# Altium PCB MainBoard_6_layers.PcbDoc (part 1 of 6) (continued)
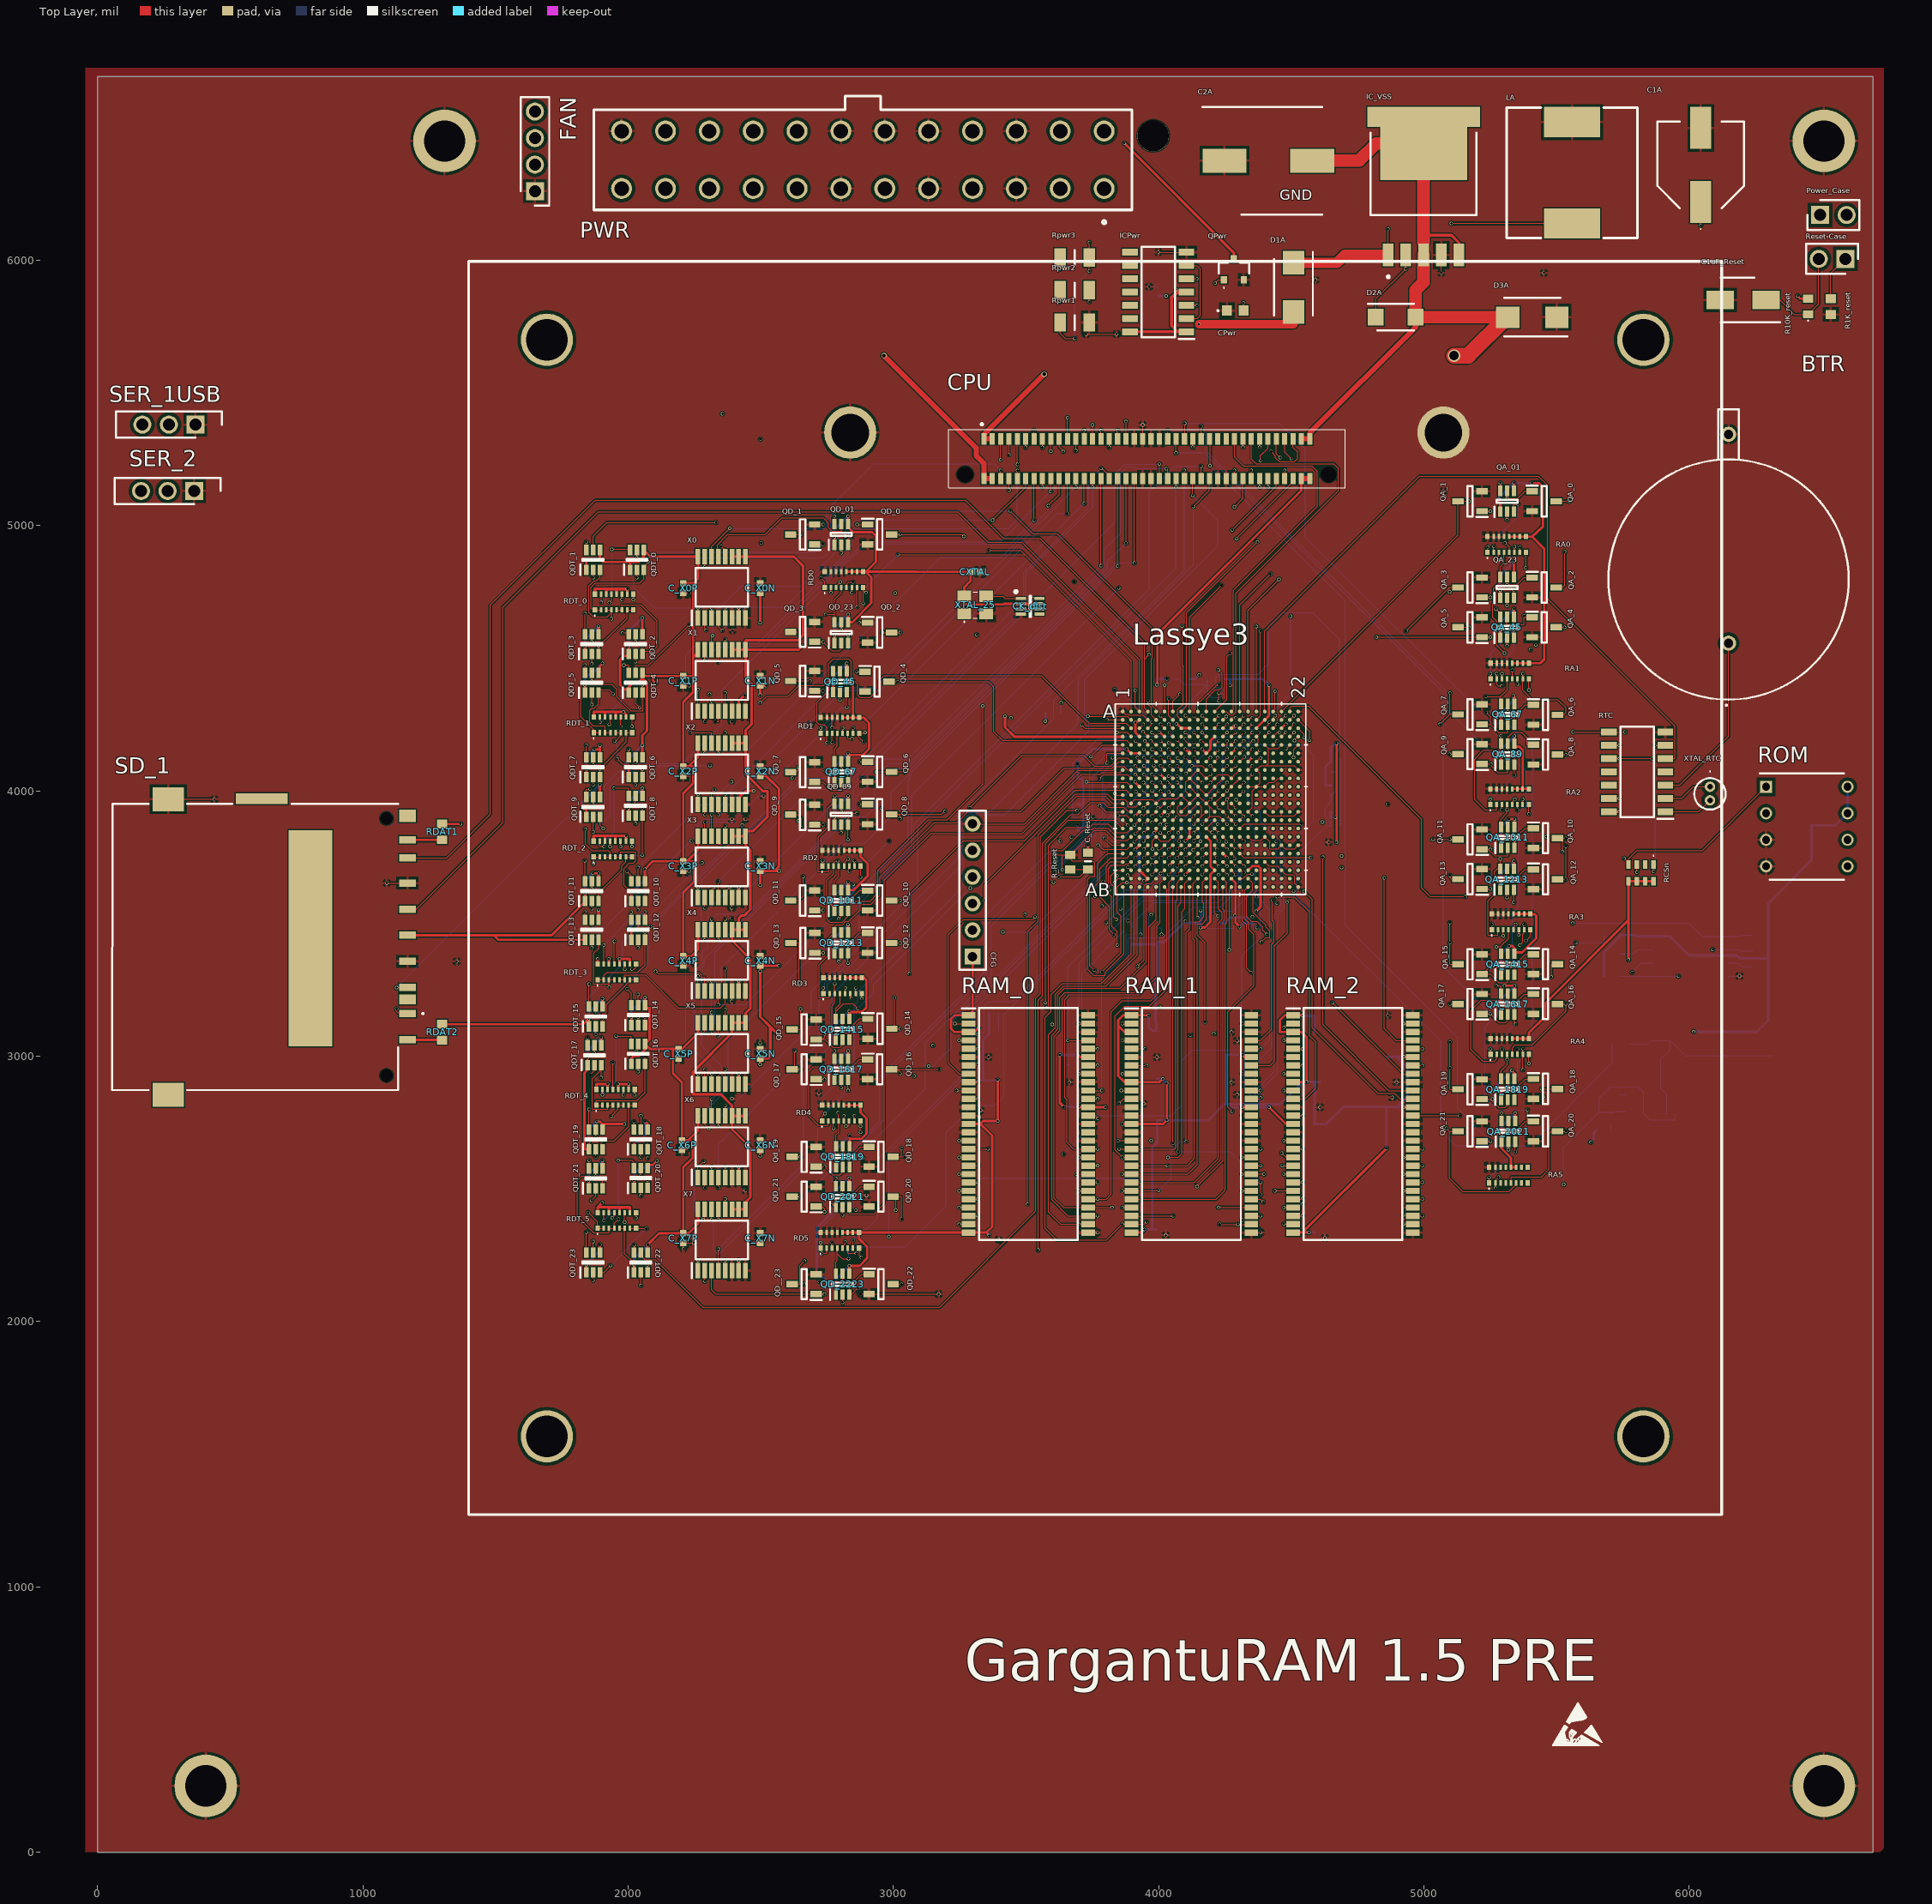
[diagram p0: Top Layer view]
## Footprints (in the part's own frame and the unit in brackets; to place one, negate y for a bottom-side part, rotate by r counter-clockwise, add the part's x,y. Pads: shape width x height; smd on the part's side, far side on the other; paste and mask are expansions set on the pad) (continued)
  silkscreen extent -364,-364 365,365, body extent -354,-354 354,354, height 52
HDR1X6 [mm] "Connector; Header; 6 Position"
  rect 1.5x1.5 hole 0.9: 1(0,0)
  round 1.5 hole 0.9: 2(2.54,0) 3(5.08,0) 4(7.62,0) 5(10.16,0) 6(12.7,0)
  silkscreen extent -1.27,-1.27 13.97,1.27
HDRV2W67P0X254_1X2_467X234X823P [mm]
  rect 1.725x1.725 hole 1.15: 1(0,0)
  round 1.725 hole 1.15: 2(2.54,0)
  silkscreen extent -1.21,-1.42 3.75,1.42, body extent -1.07,-1.17 3.61,1.17, height 8.12
HDRV3W66P0X254_1X3_1016X249X1042P [mm]
  rect 1.725x1.725 hole 1.15: 1(0,0)
  round 1.725 hole 1.15: 2(2.54,0) 3(5.08,0)
  silkscreen extent -2.54,-1.25 7.62,1.25, body extent -1.27,-1.24 6.35,1.24, height 10.41
HDRV4W66P0X254_1X4_1016X249X1003P [mm]
  rect 1.725x1.725 hole 1.15: 1(0,0)
  round 1.725 hole 1.15: 2(2.54,0) 3(5.08,0) 4(7.62,0)
  silkscreen extent -1.4,-1.37 9.02,1.37, body extent -1.27,-1.24 8.89,1.24, height 9.78
KTT0005B [mm]
  rect 2.16x1.02 smd: 1(12.461,-3.4) 2(12.461,-1.7) 3(12.461,0) 4(12.461,1.7) 5(12.461,3.4)
  rect 6.99x8.33 smd: 6(1.786,0)
  rect 1.91x1.235 smd: 7(-0.754,4.783) 8(-0.754,-4.783)
  silkscreen extent 0.76,-5.08 14.68,5.08, body extent -1.11,-5.08 13.24,5.08, height 4.72
MMBT3904215 [mm]
  rect 0.6x0.7 smd: 1(-0.95,-1) 2(0.95,-1) 3(0,1)
  silkscreen extent -1.45,-1.8 1.45,0.65, body extent -1.45,-1.2 1.45,1.2, height 0.95
RCS0603_E3 [mm]
  rect 0.75x1 smd: 1(-0.75,0) 2(0.75,0)
  silkscreen extent -1.4,-0.05 -1.3,0.05, body extent -0.77,-0.43 0.78,0.42, height 0.45
RESC1608X50N [mm]
  rect 0.85x1 smd: 1(-0.75,0) 2(0.75,0)
  body extent -0.79,-0.43 0.79,0.43, height 0.5
RESC1608X55N [mm]
  rect 0.8x0.95 smd: 1(-0.8,0) 2(0.8,0)
  silkscreen extent 0,-0.3 0,0.3, body extent -0.8,-0.4 0.8,0.4, height 0.55
RESC3116X65N [mm]
  rect 1.1x1.75 smd: 1(-1.4,0) 2(1.4,0)
  silkscreen extent 0,-0.7 0,0.7, body extent -1.55,-0.8 1.55,0.8, height 0.65
SODFL4626X120N [mm]
  rect 1.53x1.63 smd: 1(-1.9,0) 2(1.9,0)
  silkscreen extent -2.67,-1.27 1.75,1.27, body extent -2.32,-1.28 2.32,1.28, height 1.2
SOIC127P600X175-14N [mm]
  rect 1.5x0.65 smd: 1(-2.7,3.81) 2(-2.7,2.54) 3(-2.7,1.27) 4(-2.7,0) 5(-2.7,-1.27) 6(-2.7,-2.54) 7(-2.7,-3.81) 8(2.7,-3.81) 9(2.7,-2.54) 10(2.7,-1.27) 11(2.7,0) 12(2.7,1.27) 13(2.7,2.54) 14(2.7,3.81)
  silkscreen extent -3.45,-4.33 1.6,4.48, body extent -3,-4.33 3,4.33, height 1.75
SOIC127P790X216-8N [mm]
  rect 1.65x0.65 smd: 1(-3.6,1.905) 2(-3.6,0.635) 3(-3.6,-0.635) 4(-3.6,-1.905) 5(3.6,-1.905) 6(3.6,-0.635) 7(3.6,0.635) 8(3.6,1.905)
  silkscreen extent -4.42,-2.64 2.42,2.64, body extent -3.95,-2.64 3.95,2.64, height 2.16
SON50P200X200X80-8N [mm]
  rect 0.95x0.3 smd: 1(-0.9,0.75) 2(-0.9,0.25) 3(-0.9,-0.25) 4(-0.9,-0.75) 5(0.9,-0.75) 6(0.9,-0.25) 7(0.9,0.25) 8(0.9,0.75)
  silkscreen extent -1.5,-1 0.08,1.52, body extent -1,-1 1,1, height 0.8
SOP65P640X120-16N [mm]
  rect 1.475x0.45 smd: 1(-2.938,2.275) 2(-2.938,1.625) 3(-2.938,0.975) 4(-2.938,0.325) 5(-2.938,-0.325) 6(-2.938,-0.975) 7(-2.938,-1.625) 8(-2.938,-2.275) 9(2.938,-2.275) 10(2.938,-1.625) 11(2.938,-0.975) 12(2.938,-0.325) 13(2.938,0.325) 14(2.938,0.975) 15(2.938,1.625) 16(2.938,2.275)
  silkscreen extent -3.67,-2.5 1.85,2.85, body extent -3.2,-2.5 3.2,2.5, height 1.13
SOP80P1176X120-54N [mm]
  rect 1.295x0.6 smd: 1(-5.728,10.4) 2(-5.728,9.6) 3(-5.728,8.8) 4(-5.728,8) 5(-5.728,7.2) 6(-5.728,6.4) 7(-5.728,5.6) 8(-5.728,4.8) 9(-5.728,4) 10(-5.728,3.2) 11(-5.728,2.4) 12(-5.728,1.6) 13(-5.728,0.8) 14(-5.728,0) 15(-5.728,-0.8) 16(-5.728,-1.6) 17(-5.728,-2.4) 18(-5.728,-3.2) 19(-5.728,-4) 20(-5.728,-4.8) 21(-5.728,-5.6) 22(-5.728,-6.4) 23(-5.728,-7.2) 24(-5.728,-8) 25(-5.728,-8.8) 26(-5.728,-9.6) 27(-5.728,-10.4) 28(5.728,-10.4) 29(5.728,-9.6) 30(5.728,-8.8) 31(5.728,-8) 32(5.728,-7.2) 33(5.728,-6.4) 34(5.728,-5.6) 35(5.728,-4.8) 36(5.728,-4) 37(5.728,-3.2) 38(5.728,-2.4) 39(5.728,-1.6) 40(5.728,-0.8) 41(5.728,0) 42(5.728,0.8) 43(5.728,1.6) 44(5.728,2.4) 45(5.728,3.2) 46(5.728,4) 47(5.728,4.8) 48(5.728,5.6) 49(5.728,6.4) 50(5.728,7.2) 51(5.728,8) 52(5.728,8.8) 53(5.728,9.6) 54(5.728,10.4)
  silkscreen extent -6.37,-11.11 4.73,11.11, body extent -5.88,-11.11 5.88,11.11, height 1.2
SOT65P210X110-6N#1 [mm]
  rect 1x0.4 smd: 1(-1,0.65) 2(-1,0) 3(-1,-0.65) 4(1,-0.65) 5(1,0) 6(1,0.65)
  silkscreen extent -1.5,-1 0.15,1.2, body extent -1.05,-1 1.05,1, height 1.1
SOT65P210X110-6N#2 [mm]
  rect 1x0.45 smd: 1(-0.95,0.65) 2(-0.95,0) 3(-0.95,-0.65) 4(0.95,-0.65) 5(0.95,0) 6(0.95,0.65)
  silkscreen extent -1.45,-1 0.1,1.22, body extent -1.05,-1 1.05,1, height 1.1
SOT95P260X110-3N [mm]
  rect 1.1x0.6 smd: 1(-1.15,0.95) 2(-1.15,-0.95) 3(1.15,0)
  silkscreen extent -1.7,-1.45 0.25,1.5, body extent -1.3,-1.45 1.3,1.45, height 1.1
SOT230P700X180-4N [mm]
  rect 1.65x0.95 smd: 1(-3.15,2.3) 2(-3.15,0) 3(-3.15,-2.3)
  rect 1.65x3.25 smd: 4(3.15,0)
  silkscreen extent -3.97,-3.25 1.75,3.25, body extent -3.5,-3.25 3.5,3.25, height 1.8
SRR1260-150M [mm]
  rect 2.9x5.4 smd: 1(-4.85,0) 2(4.85,0)
  silkscreen extent -6.25,-6.25 6.25,6.25, body extent -6.25,-6.25 6.25,6.25, height 6
T491A [mm]
  rect 1.8x1.23 smd: 1(-1.31,0) 2(1.31,0)
  silkscreen extent -2.71,-0.05 -2.61,0.05, body extent -1.7,-0.9 1.7,0.9, height 1.81
TYA2520124R7M10 [mm]
  rect 2x0.85 smd: 1(0,-0.825) 2(0,0.825)
  silkscreen extent -0.05,-2 0.05,-1.9, body extent -1,-1.25 1,1.25, height 1.45

## Part data
BTR: "Undefined or Miscellaneous", Manufacturer_Name="Keystone Electronics", Mouser Part Number=534-1066, Datasheet Link=http://keyelco.com/userAssets/file/M65p5.pdf, Height=9.85mm, Manufacturer_Part_Number=1066, Mouser Price/Stock=https://www.mouser.co.uk/ProductDetail/Keystone-Electronics/1066?qs=TMDrOSIpnUfyx7dWA5t7YA%3D%3D
C1A: "Capacitor Polarised", Manufacturer_Name=Panasonic, Mouser Part Number=667-EEE-HC1E101P, Arrow Part Number=EEE-HC1E101P, Arrow Price/Stock=https://www.arrow.com/en/products/eee-hc1e101p/panasonic, Datasheet Link=http://industrial.panasonic.com/cdbs/www-data/pdf/RDE0000/ABA0000C1160.pdf, Height=10.8mm, Manufacturer_Part_Number=EEE-HC1E101P, Mouser Price/Stock=https://www.mouser.com/Search/Refine.aspx?Keyword=667-EEE-HC1E101P
C1uF_Reset: "Capacitor Polarised", Manufacturer_Name=KEMET, Mouser Part Number=80-EDH105M050A9BAA, Arrow Part Number=EDH105M050A9BAA, Arrow Price/Stock=https://www.arrow.com/en/products/edh105m050a9baa/kemet-corporation?region=europe, Datasheet Link=https://content.kemet.com/datasheets/KEM_A4049_EDH.pdf, Height=5.65mm, Manufacturer_Part_Number=EDH105M050A9BAA, Mouser Price/Stock=https://www.mouser.co.uk/ProductDetail/KEMET/EDH105M050A9BAA?qs=E9QF1UCAUX56DBSFGzxVeg%3D%3D
C2A: "Capacitor", Manufacturer_Name="Kyocera AVX", Datasheet Link=https://br.mouser.com/datasheet/2/40/kyocera_avx_aef_series-2933561.pdf, Height=10.5mm, Manufacturer_Part_Number=AEF1010221M035R
C_IO0 C_IO1 C_IO2 C_IO3 C_IO4 C_IO5 C_IO6 C_IO7 C_IO8 C_IO9 C_IO10 C_IO11 C_PLL C_VCC0 C_VCC1 C_VCC2 C_VCC3 C_VCC4 C_VCC5 C_VCC6 C_VCC7 C_Vcc8 C_X0N C_X0P C_X1N C_X1P C_X2N C_X2P C_X3N C_X3P C_X4N C_X4P C_X5N C_X5P C_X6N C_X6P C_X7N C_X7P: "Capacitor", Manufacturer_Name="Murata Electronics", Mouser Part Number=81-GRM155R71C104JA8J, Arrow Part Number=GRM155R71C104JA88J, Arrow Price/Stock=https://www.arrow.com/en/products/grm155r71c104ja88j/murata-manufacturing?region=nac, Height=0.55mm, Manufacturer_Part_Number=GRM155R71C104JA88J, Mouser Price/Stock=https://www.mouser.co.uk/ProductDetail/Murata-Electronics/GRM155R71C104JA88J?qs=hNud%2FORuBR1FShEh%252B0yzMw%3D%3D
  C_IO0 C_IO1 C_IO2 C_IO3 C_IO4 C_IO5 C_IO6 C_IO7 C_IO8 C_IO9 C_IO10 C_IO11 C_VCC0 C_VCC1 C_VCC2 C_VCC3 C_VCC4 C_VCC5 C_VCC6 C_VCC7 C_Vcc8 C_X0N C_X0P C_X1N C_X1P C_X2N C_X2P C_X3N C_X3P C_X4N C_X4P C_X5N C_X5P C_X6N C_X6P C_X7N C_X7P: Datasheet Link=https://datasheet.datasheetarchive.com/originals/distributors/DKDS-10/191304.pdf
  C_PLL: Datasheet Link=http://www.murata.com/~/media/webrenewal/support/library/catalog/products/capacitor/mlcc/c02e.pdf
C_PLL_A: "Capacitor", Manufacturer_Name=KEMET, Mouser Part Number=80-C0805X475J3RAUTLR, Datasheet Link=https://www.kemet.com/specsheet/C0805X475J3RACAUTO7210, Height=1.45mm, Manufacturer_Part_Number=C0805X475J3RACAUTO7210, Mouser Price/Stock=https://www.mouser.co.uk/ProductDetail/KEMET/C0805X475J3RACAUTO7210?qs=%252B6g0mu59x7KZNSFSYLExgg%3D%3D
C_Reset: "Capacitor", Manufacturer_Name="Murata Electronics", Mouser Part Number=81-GRM188C81A106KA3D, Arrow Part Number=GRM188C81A106KA73D, Arrow Price/Stock=https://www.arrow.com/en/products/grm188c81a106ka73d/murata-manufacturing, Datasheet Link=http://componentsearchengine.com/Datasheets/1/GRM188C81A106KA73D.pdf, Height=0.9mm, Manufacturer_Part_Number=GRM188C81A106KA73D, Mouser Price/Stock=https://www.mouser.com/Search/Refine.aspx?Keyword=81-GRM188C81A106KA3D
C_ROM: "Capacitor", Manufacturer_Name=AVX, Mouser Part Number=581-0603YC104K4, Arrow Part Number=0603YC104K4T2A, Arrow Price/Stock=https://www.arrow.com/en/products/0603yc104k4t2a/avx, Datasheet Link=http://www.mouser.com/catalog/supplier/library/pdf/AVXSurfaceMountCeramic.pdf, Height=0.9mm, Manufacturer_Part_Number=0603YC104K4T2A, Mouser Price/Stock=https://www.mouser.co.uk/ProductDetail/AVX/0603YC104K4T2A/?qs=Cej1j9ztgjHj4I01NaBI3A%3D%3D
C_VCC: "Capacitor Polarised", Manufacturer_Name=KEMET, Mouser Part Number=80-T491A105K025, Arrow Part Number=T491A105K025AT, Arrow Price/Stock=https://www.arrow.com/en/products/t491a105k025at/kemet-corporation?region=nac, Datasheet Link=https://content.kemet.com/datasheets/KEM_T2005_T491.pdf, Height=1.8mm, Manufacturer_Part_Number=T491A105K025AT, Mouser Price/Stock=https://www.mouser.co.uk/ProductDetail/KEMET/T491A105K025AT?qs=VCf6WUQjPgGa9NtfaqeN%252Bg%3D%3D
CFG: "Header, 6-Pin", LatestRevisionDate=17-Jul-2002, LatestRevisionNote="Re-released for DXP Platform.", Publisher="Altium Limited"
CICPwr CR0 CR1 CR2 CR3 CR4 CR5 CR6 CR7 CR8 CR9 CR10 CR11 CR12 CR13 CR14 CR15 CR16 CR17 CR18 CR19 CR20 CRom CXTAL: "Capacitor", Manufacturer_Name="Murata Electronics", Mouser Part Number=81-GRM155R71C104JA8D, Arrow Part Number=GRM155R71C104JA88D, Arrow Price/Stock=https://www.arrow.com/en/products/grm155r71c104ja88d/murata-manufacturing?region=nac, Datasheet Link=http://www.murata.com/~/media/webrenewal/support/library/catalog/products/capacitor/mlcc/c02e.pdf, Height=0.55mm, Manufacturer_Part_Number=GRM155R71C104JA88D, Mouser Price/Stock=https://www.mouser.co.uk/ProductDetail/Murata-Electronics/GRM155R71C104JA88D?qs=pwh76yelNxDjPOceoz6xEg%3D%3D
CK_dist: "Integrated Circuit", Manufacturer_Name="Texas Instruments", Mouser Part Number=595-LMK1C1104DQFR, Arrow Part Number=LMK1C1104DQFR, Arrow Price/Stock=https://www.arrow.com/en/products/lmk1c1104dqfr/texas-instruments?utm_currency=USD&region=nac, Datasheet Link=https://www.ti.com/lit/ds/symlink/lmk1c1104.pdf?ts=1625794058723&ref_url=https%253A%252F%252Fwww.ti.com%252Fproduct%252FLMK1C1104, Height=0.8mm, Manufacturer_Part_Number=LMK1C1104DQFR, Mouser Price/Stock=https://www.mouser.co.uk/ProductDetail/Texas-Instruments/LMK1C1104DQFR?qs=QNEnbhJQKvYdwt0bSAj%252Blw%3D%3D
CPU: "Connector", Manufacturer_Name=Hirose, Mouser Part Number=798-ER8-80P-0.8SV-5H, Datasheet Link=https://datasheet.datasheetarchive.com/originals/distributors/DKDS-30/592323.pdf, Height=8.905mm, Manufacturer_Part_Number=ER8-80P-0.8SV-5H, Mouser Price/Stock=https://www.mouser.com/Search/Refine.aspx?Keyword=798-ER8-80P-0.8SV-5H
CPwr: "Capacitor", Manufacturer_Name=KEMET, Mouser Part Number=80-C0603X103G5J, Arrow Part Number=C0603X103G5JACTU, Arrow Price/Stock=https://www.arrow.com/en/products/c0603x103g5jactu/kemet-corporation, Datasheet Link=https://content.kemet.com/datasheets/KEM_C1087_U2J_FT-CAP_SMD.pdf, Height=0.87mm, Manufacturer_Part_Number=C0603X103G5JACTU, Mouser Price/Stock=https://www.mouser.co.uk/ProductDetail/KEMET/C0603X103G5JACTU/?qs=rKqJIm0tnYFz51SLsN%252BFYQ%3D%3D
D1A D3A: "Schottky Diode", Manufacturer_Name=Diotec, Mouser Part Number=637-SK54-3G, Arrow Part Number=SK54-3G, Arrow Price/Stock=https://www.arrow.com/en/products/sk54-3g/diotec-semiconductor-ag?region=asia, Datasheet Link=https://diotec.com/request/datasheet/sk54-3g.pdf, Height=2.4mm, Manufacturer_Part_Number=SK54-3G, Mouser Price/Stock=https://www.mouser.co.uk/ProductDetail/Diotec-Semiconductor/SK54-3G?qs=OlC7AqGiEDkfzpeKJrtneQ%3D%3D
D2A: "Schottky Diode", Manufacturer_Name="Comchip Technology", Mouser Part Number=750-SS54F-HF, Arrow Part Number=SS54F-HF, Arrow Price/Stock=https://www.arrow.com/en/products/ss54f-hf/comchip-technology?region=nac, Datasheet Link=http://www.comchiptech.com/admin/files/product/20190806174558.pdf, Height=1.2mm, Manufacturer_Part_Number=SS54F-HF, Mouser Price/Stock=https://www.mouser.co.uk/ProductDetail/Comchip-Technology/SS54F-HF?qs=GBLSl2Akirv9e2Io%252BmNS2w%3D%3D
EROM: "Integrated Circuit", Manufacturer_Name=Winbond, Mouser Part Number=454-W25Q32JVSSIQ, Arrow Part Number=W25Q32JVSSIQ, Arrow Price/Stock=https://www.arrow.com/en/products/w25q32jvssiq/winbond-electronics?region=nac, Datasheet Link=https://www.winbond.com/hq/search-resource-file.jsp?partNo=W25Q32JVSSIQ&type=datasheet, Height=2.16mm, Manufacturer_Part_Number=W25Q32JVSSIQ, Mouser Price/Stock=https://www.mouser.co.uk/ProductDetail/Winbond/W25Q32JVSSIQ?qs=qSfuJ%252Bfl%2Fd4PGZSN0WxfCA%3D%3D
FAN: "Connector", Manufacturer_Name=Molex, Mouser Part Number=538-22-28-4042, Datasheet Link=https://www.molex.com/content/dam/molex/molex-dot-com/products/automated/en-us/salesdrawingpdf/423/42375/022284042_sd.pdf?inline, Height=10.03mm, Manufacturer_Part_Number=22-28-4042, Mouser Price/Stock=https://www.mouser.co.uk/ProductDetail/Molex/22-28-4042?qs=GAPJcf4kvdu6DqYOOlzdaQ%3D%3D
FB_VCCA: "Ferrite Bead", Manufacturer_Name=TDK, Mouser Part Number=810-MMZ0603F330CT000, Datasheet Link=https://product.tdk.com/system/files/dam/doc/product/emc/emc/beads/catalog/beads_commercial_signal_mmz0603_en.pdf, Height=0.33mm, Manufacturer_Part_Number=MMZ0603F330CT000, Mouser Price/Stock=https://www.mouser.co.uk/ProductDetail/TDK/MMZ0603F330CT000?qs=8Kz9Wu9QwqXBIC8npmRUAg%3D%3D
IC_1V2: "Integrated Circuit", Manufacturer_Name=STMicroelectronics, Mouser Part Number=511-LD1117S12, Arrow Part Number=LD1117S12TR, Arrow Price/Stock=https://www.arrow.com/en/products/ld1117s12tr/stmicroelectronics?region=nac, Datasheet Link=http://www.st.com/st-web-ui/static/active/en/resource/technical/document/datasheet/CD00000544.pdf, Height=1.8mm, Manufacturer_Part_Number=LD1117S12TR, Mouser Price/Stock=https://www.mouser.co.uk/ProductDetail/STMicroelectronics/LD1117S12TR?qs=61zNq1xPlVSs7%252BqGq4VslA%3D%3D
IC_VSS: "Integrated Circuit", Arrow Part Number=LM2596SX-3.3/NOPB, Manufacturer_Name="Texas Instruments", Mouser Part Number=926-LM2596SX33NOPB, Arrow Price/Stock=https://www.arrow.com/en/products/lm2596sx-3.3nopb/texas-instruments?utm_currency=USD&region=nac, Datasheet Link=http://www.ti.com/lit/gpn/lm2596, Manufacturer_Part_Number=LM2596SX-3.3/NOPB, Mouser Price/Stock=https://www.mouser.co.uk/ProductDetail/Texas-Instruments/LM2596SX-3.3-NOPB?qs=X1J7HmVL2ZEm4UYTFC0WWA%3D%3D
ICPwr: "Integrated Circuit", Manufacturer_Name="Texas Instruments", Mouser Part Number=595-SN74HC74D, Arrow Part Number=SN74HC74D, Arrow Price/Stock=https://www.arrow.com/en/products/sn74hc74d/texas-instruments?region=nac, Datasheet Link=http://www.ti.com/lit/gpn/sn74hc74, Height=1.75mm, Manufacturer_Part_Number=SN74HC74D, Mouser Price/Stock=https://www.mouser.co.uk/ProductDetail/Texas-Instruments/SN74HC74D?qs=p6YqzpSxLIzsMi9OHpAhoA%3D%3D
L_INT: "Inductor", Manufacturer_Name="Laird Performance Materials", Mouser Part Number=739-TYA2520124R7M-10, Datasheet Link=https://www.mouser.com/datasheet/2/987/TYA252012_series_(Rev_A)-1864563.pdf, Height=1.35mm, Manufacturer_Part_Number=TYA2520124R7M-10, Mouser Price/Stock=https://www.mouser.co.uk/ProductDetail/Laird-Performance-Materials/TYA2520124R7M-10?qs=sPbYRqrBIVn5urejTQMtvg%3D%3D
LA: "Inductor", Manufacturer_Name=Bourns, Mouser Part Number=652-SRR1260-330M, Arrow Part Number=SRR1260-330M, Arrow Price/Stock=https://www.arrow.com/en/products/srr1260-330m/bourns?utm_currency=USD&region=nac, Datasheet Link=https://www.bourns.com/docs/Product-Datasheets/SRR1260.pdf, Manufacturer_Part_Number=SRR1260-330M, Mouser Price/Stock=https://www.mouser.co.uk/ProductDetail/Bourns/SRR1260-330M?qs=R2jSSvul3fC3V4%252BTrq0P0w%3D%3D
Lassye3: "No Description Available", Mfr_Name=Efinix, RefDes=RefDes, Type=Type
Power_Case Reset-Case: "Connector", Manufacturer_Name="TE Connectivity", Mouser Part Number=571-5-146277-2, Arrow Part Number=5-146277-2, Arrow Price/Stock=https://www.arrow.com/en/products/5-146277-2/te-connectivity?utm_currency=USD&region=nac, Datasheet Link=https://www.te.com/commerce/DocumentDelivery/DDEController?Action=srchrtrv&DocNm=146277&DocType=Customer+Drawing&DocLang=English, Height=8.23mm, Manufacturer_Part_Number=5-146277-2, Mouser Price/Stock=https://www.mouser.co.uk/ProductDetail/TE-Connectivity/5-146277-2?qs=bwpFY26eRVdSYoepUea0uA%3D%3D
PWR: "Connector", Manufacturer_Name="TE Connectivity", Mouser Part Number=571-1-1775099-3, Arrow Part Number=1-1775099-3, Arrow Price/Stock=https://www.arrow.com/en/products/1-1775099-3/te-connectivity?region=nac, Datasheet Link=http://www.te.com/commerce/DocumentDelivery/DDEController?Action=showdoc&DocId=Customer+Drawing%7F1775099%7FG%7Fpdf%7FEnglish%7FENG_CD_1775099_G.pdf%7F1-1775099-3, Manufacturer_Part_Number=1-1775099-3, Mouser Price/Stock=https://www.mouser.co.uk/ProductDetail/TE-Connectivity/1-1775099-3?qs=28ld6GkVMjRzvehyCXdQkg%3D%3D
QA_0 QA_1 QA_2 QA_3 QA_4 QA_5 QA_6 QA_7 QA_8 QA_9 QA_10 QA_11 QA_12 QA_13 QA_14 QA_15 QA_16 QA_17 QA_18 QA_19 QA_20 QA_21 QD_0 QD_1 QD_2 QD_3 QD_4 QD_5 QD_6 QD_7 QD_8 QD_9 QD_10 QD_11 QD_12 QD_13 QD_14 QD_15 QD_16 QD_17 QD_18 Qd_19 QD_20 QD_21 QD_22 QD__23: "Transistor", Manufacturer_Name=Infineon, Mouser Part Number=726-BSS159NH6327XTSA, Arrow Part Number=BSS159NH6327XTSA2, Arrow Price/Stock=https://www.arrow.com/en/products/bss159nh6327xtsa2/infineon-technologies-ag?region=nac, Datasheet Link=http://www.infineon.com/dgdl/Infineon-BSS159N-DS-v02_02-en.pdf?fileId=db3a304330f68606013108d8b2230036, Height=1.1mm, Manufacturer_Part_Number=BSS159NH6327XTSA2, Mouser Price/Stock=https://www.mouser.co.uk/ProductDetail/Infineon-Technologies/BSS159NH6327XTSA2?qs=K00xGehIljvJjqRECkxDcQ%3D%3D
QA_01 QA_23 QA_45 QA_67 QA_89 QA_1011 QA_1213 QA_1415 QA_1617 QA_1819 QA_2021 QD_01 QD_23 QD_45 QD_67 QD_89 QD_1011 QD_1213 QD_1415 QD_1617 QD_1819 QD_2021 QD_2223 QDT_0 QDT_1 QDT_2 QDT_3 QDT_4 QDT_5 QDT_6 QDT_7 QDT_8 QDT_9 QDT_10 QDT_11 QDT_12 QDT_13 QDT_14 QDT_15 QDT_16 QDT_17 QDT_18 QDT_19 QDT_20 QDT_21 QDT_22 QDT_23: "Transistor", Manufacturer_Name="Diodes Inc.", Mouser Part Number=621-BSS84DWQ-7, Arrow Part Number=BSS84DWQ-7, Arrow Price/Stock=https://www.arrow.com/en/products/bss84dwq-7/diodes-incorporated, Datasheet Link=https://www.diodes.com/assets/Datasheets/BSS84DWQ.pdf, Height=1.1mm, Manufacturer_Part_Number=BSS84DWQ-7, Mouser Price/Stock=https://www.mouser.co.uk/ProductDetail/Diodes-Incorporated/BSS84DWQ-7?qs=W%2FMpXkg%252BdQ4tYNQw8VopWw%3D%3D
QPwr: "Transistor BJT NPN", Manufacturer_Name=Nexperia, Mouser Part Number=771-MMBT3904T/R, Arrow Part Number=MMBT3904,215, Arrow Price/Stock=https://www.arrow.com/en/products/mmbt3904215/nexperia?utm_currency=USD&region=nac, Datasheet Link=https://assets.nexperia.com/documents/data-sheet/MMBT3904.pdf, Height=1.1mm, Manufacturer_Part_Number=MMBT3904,215, Mouser Price/Stock=https://www.mouser.co.uk/ProductDetail/Nexperia/MMBT3904215?qs=LOCUfHb8d9s%2FW6hzAJGDbw%3D%3D
R1K_reset: "Resistor", Manufacturer_Name=Vishay, Mouser Part Number=71-RCS06031K00FKEA, Arrow Part Number=RCS06031K00FKEA, Arrow Price/Stock=https://www.arrow.com/en/products/rcs06031k00fkea/vishay?region=nac, Datasheet Link=http://www.vishay.com/docs/20065/rcse3.pdf, Height=0.5mm, Manufacturer_Part_Number=RCS06031K00FKEA, Mouser Price/Stock=https://www.mouser.co.uk/ProductDetail/Vishay-Dale/RCS06031K00FKEA?qs=NKmfXavxMaymZq%2F68Mdhcw%3D%3D
R10K_reset: "Resistor", Manufacturer_Name=Vishay, Mouser Part Number=71-RCS060310K0JNEA, Arrow Part Number=RCS060310K0JNEA, Arrow Price/Stock=https://www.arrow.com/en/products/rcs060310k0jnea/vishay?region=nac, Datasheet Link=https://www.vishay.com/docs/20065/rcse3.pdf, Manufacturer_Part_Number=RCS060310K0JNEA, Mouser Price/Stock=https://www.mouser.co.uk/ProductDetail/Vishay-Dale/RCS060310K0JNEA?qs=NKmfXavxMaxOSWu%252BIfGj8A%3D%3D
R_CDONE R_CS R_CSI R_Hold R_MISO R_MOSI R_WP: "Resistor", Manufacturer_Name=Vishay, Mouser Part Number=71-CRCW060310K0FKEB, Arrow Part Number=CRCW060310K0FKEB, Arrow Price/Stock=https://www.arrow.com/en/products/crcw060310k0fkeb/vishay, Datasheet Link=http://www.vishay.com/docs/20035/dcrcwe3.pdf, Height=0.5mm, Manufacturer_Part_Number=CRCW060310K0FKEB, Mouser Price/Stock=https://www.mouser.co.uk/ProductDetail/Vishay-Dale/CRCW060310K0FKEB?qs=KP%252BPudsHLdyVfHu6lav4Iw%3D%3D
R_Reset: "Resistor", Manufacturer_Name=Vishay, Mouser Part Number=71-CRCW0603100KFKEAC, Arrow Part Number=CRCW0603100KFKEAC, Arrow Price/Stock=https://www.arrow.com/en/products/crcw0603100kfkeac/vishay?region=nac, Datasheet Link=https://www.mouser.com/datasheet/2/427/crcwce3-1223726.pdf, Height=0.55mm, Manufacturer_Part_Number=CRCW0603100KFKEAC, Mouser Price/Stock=https://www.mouser.co.uk/ProductDetail/Vishay-Dale/CRCW0603100KFKEAC?qs=E3Y5ESvWgWPxzfNYyMgX1w%3D%3D
RA0 RA1 RA2 RA3 RA4 RA5 RD0 RD1 RD2 RD3 RD4 RD5: "Resistor Network", Manufacturer_Name=Panasonic, Mouser Part Number=667-EXB-2HV221JV, Arrow Part Number=EXB-2HV221JV, Arrow Price/Stock=https://www.arrow.com/en/products/exb-2hv221jv/panasonic?region=europe, Datasheet Link=https://industrial.panasonic.com/cdbs/www-data/pdf/AOC0000/AOC0000C14.pdf, Height=0.55mm, Manufacturer_Part_Number=EXB-2HV221JV, Mouser Price/Stock=https://www.mouser.co.uk/ProductDetail/Panasonic/EXB-2HV221JV?qs=LZJzOuaToaVYOp9V2U%2F1Gw%3D%3D
RAM_0 RAM_1 RAM_2: "Integrated Circuit", Manufacturer_Name="Integrated Silicon Solution Inc.", Mouser Part Number=870-IS42S16160G7TLTR, Arrow Part Number=IS42S16160G-7TL-TR, Arrow Price/Stock=https://www.arrow.com/en/products/is42s16160g-7tl-tr/integrated-silicon-solution-inc?region=nac, Datasheet Link=http://www.issi.com/WW/pdf/42-45S83200G-16160G.pdf, Height=1.2mm, Manufacturer_Part_Number=IS42S16160G-7TL-TR, Mouser Price/Stock=https://www.mouser.co.uk/ProductDetail/ISSI/IS42S16160G-7TL-TR?qs=9hm%252BDT1Jr7xnYjoaQib7SQ%3D%3D
RCSn Rk: "Resistor Network", Manufacturer_Name=Bourns, Mouser Part Number=652-CAT16A-1002F4LF, Datasheet Link=https://www.bourns.com/docs/product-datasheets/cat16a-lf.pdf?sfvrsn=f78c48f6_4, Height=0.65mm, Manufacturer_Part_Number=CAT16A-1002F4LF, Mouser Price/Stock=https://www.mouser.co.uk/ProductDetail/Bourns/CAT16A-1002F4LF?qs=IS%252B4QmGtzzqwI8c1abvAYA%3D%3D
RDAT1 RDAT2: "Resistor", Manufacturer_Name=Vishay, Mouser Part Number=71-CRCW060310K0FKEC, Arrow Part Number=CRCW060310K0FKEC, Arrow Price/Stock=https://www.arrow.com/en/products/crcw060310k0fkec/vishay?region=nac, Datasheet Link=http://www.vishay.com/docs/20035/dcrcwe3.pdf, Height=0.5mm, Manufacturer_Part_Number=CRCW060310K0FKEC, Mouser Price/Stock=https://www.mouser.co.uk/ProductDetail/Vishay-Dale/CRCW060310K0FKEC?qs=DhCTQV%252BB7kVUX5brQUG3LA%3D%3D
RDT_0 RDT_1 RDT_2 RDT_3 RDT_4 RDT_5: library part EXB-2HV221JV, "Resistor Network", Manufacturer_Name=Panasonic, Mouser Part Number=667-EXB-2HV221JV, Arrow Part Number=EXB-2HV221JV, Arrow Price/Stock=https://www.arrow.com/en/products/exb-2hv221jv/panasonic?region=europe, Datasheet Link=https://industrial.panasonic.com/cdbs/www-data/pdf/AOC0000/AOC0000C14.pdf, Height=0.55mm, Manufacturer_Part_Number=EXB-2HV221JV, Mouser Price/Stock=https://www.mouser.co.uk/ProductDetail/Panasonic/EXB-2HV221JV?qs=LZJzOuaToaVYOp9V2U%2F1Gw%3D%3D
ROM: "Integrated Circuit", Arrow Part Number=25LC1024-I/P, Manufacturer_Name=Microchip, Mouser Part Number=579-25LC1024-I/P, Arrow Price/Stock=https://www.arrow.com/en/products/25lc1024-ip/microchip-technology, Datasheet Link=http://ww1.microchip.com/downloads/en/DeviceDoc/22064D.pdf, Height=5.334mm, Manufacturer_Part_Number=25LC1024-I/P, Mouser Price/Stock=https://www.mouser.co.uk/ProductDetail/Microchip-Technology/25LC1024-I-P?qs=W2ndVjZwIII4HC8C0OcyMA%3D%3D
Rpwr1: "Resistor", Manufacturer_Name=Bourns, Mouser Part Number=652-CRS1206QFX-1002E, Arrow Part Number=CRS1206QFX-1002ELF, Arrow Price/Stock=https://www.arrow.com/en/products/crs1206qfx-1002elf/bourns?region=nac, Datasheet Link=http://www.bourns.com/docs/Product-Datasheets/CRS-Q.pdf, Height=0.65mm, Manufacturer_Part_Number=CRS1206QFX-1002ELF, Mouser Price/Stock=https://www.mouser.co.uk/ProductDetail/Bourns/CRS1206QFX-1002ELF?qs=8Wlm6%252BaMh8QKdvkWTPthtg%3D%3D
Rpwr2 Rpwr3: "Resistor", Manufacturer_Name=Bourns, Mouser Part Number=652-CRS1206FX1001ELF, Arrow Part Number=CRS1206-FX-1001ELF, Arrow Price/Stock=https://www.arrow.com/en/products/crs1206-fx-1001elf/bourns?region=nac, Datasheet Link=http://uk.rs-online.com/web/p/products/8672962, Height=0.65mm, Manufacturer_Part_Number=CRS1206-FX-1001ELF, Mouser Price/Stock=https://www.mouser.co.uk/ProductDetail/Bourns/CRS1206-FX-1001ELF?qs=3ZbGupGMFUehf2oUUmM3wg%3D%3D
RTC: "Integrated Circuit", Arrow Part Number=MCP795W20-I/SL, Manufacturer_Name=Microchip, Mouser Part Number=579-MCP795W20-I/SL, Arrow Price/Stock=https://www.arrow.com/en/products/mcp795w20-isl/microchip-technology, Datasheet Link=http://www.microchip.com/mymicrochip/filehandler.aspx?ddocname=en556469, Height=1.75mm, Manufacturer_Part_Number=MCP795W20-I/SL, Mouser Price/Stock=https://www.mouser.co.uk/ProductDetail/Microchip-Technology/MCP795W20-I-SL?qs=tc5aKIj3JEqUBv0X09nRdg%3D%3D
SD_1: "Connector", Manufacturer_Name="Amphenol Communications Solutions", Mouser Part Number=523-1010040575#, Arrow Part Number=1010040575#, Arrow Price/Stock=https://www.arrow.com/en/products/1010040575/amphenol, Datasheet Link=https://cdn.amphenol-cs.com/media/wysiwyg/files/drawing/1010040575.pdf, Height=4.8mm, Manufacturer_Part_Number=1010040575#, Mouser Price/Stock=https://www.mouser.co.uk/ProductDetail/Amphenol-Commercial-Products/1010040575?qs=ToP8pWlZ0bNfojQLHmjlUA%3D%3D
SER_1USB SER_2: "Connector", Manufacturer_Name=Molex, Mouser Part Number=538-22-28-5034, Datasheet Link=https://componentsearchengine.com/Datasheets/2/22-28-5034.pdf, Height=10.42mm, Manufacturer_Part_Number=22-28-5034, Mouser Price/Stock=https://www.mouser.co.uk/ProductDetail/Molex/22-28-5034?qs=l%252BWx29wYPrxAp9jaws3tbA%3D%3D
X0 X1 X2 X3 X4 X5 X6 X7: "Integrated Circuit", Manufacturer_Name="Texas Instruments", Mouser Part Number=595-CD74HC4053PWR, Arrow Part Number=CD74HC4053PWR, Arrow Price/Stock=https://www.arrow.com/en/products/cd74hc4053pwr/texas-instruments, Datasheet Link=http://www.ti.com/lit/gpn/cd74hc4053, Height=1.2mm, Manufacturer_Part_Number=CD74HC4053PWR, Mouser Price/Stock=https://www.mouser.co.uk/ProductDetail/Texas-Instruments/CD74HC4053PWR?qs=DXdcjUGny5N%252BxCpA7Ml8gA%3D%3D
XTAL_25: "Crystal or Oscillator", Manufacturer_Name=ABRACON, Mouser Part Number=815-ASE-20.0M-E-T, Datasheet Link=https://abracon.com/Oscillators/ASEseries.pdf, Height=1.2mm, Manufacturer_Part_Number=ASE-20.000MHZ-E-T, Mouser Price/Stock=https://www.mouser.co.uk/ProductDetail/ABRACON/ASE-20.000MHz-E-T?qs=s46Hw6dZPL6LHFubn7CneQ%3D%3D
XTAL_RTC: "Capacitor", Manufacturer_Name="Wurth Elektronik", Mouser Part Number=710-830002995B, Datasheet Link=https://www.mouser.de/datasheet/2/445/830002995B-2005217.pdf, Height=8.2mm, Manufacturer_Part_Number=830002995B, Mouser Price/Stock=https://www.mouser.co.uk/ProductDetail/Wurth-Elektronik/830002995B?qs=2WXlatMagcHCnw26vHVZcg%3D%3D

## Free pads (board coordinates)
  round 236.22 hole 155.91: 2(407.91,250) 2(1307.91,6450) 2(6507.91,250) 2(6507.91,6450)
  round 196.85 hole 157.48 mask+4.29: 12(1693.66,1567.2) 12(1693.66,5701.05) 12(5827.52,1567.2) 12(5827.52,5701.05)
  round 196.85 hole 141.73 mask+4.29: 12(2837.44,5351.05) 12(5073.66,5351.05)

## Via types
v1: diameter 11.81, hole 9.84, Top Layer to Bottom Layer, tented both sides, 1273 vias
v2: diameter 11.81, hole 9.84, Top Layer to Bottom Layer, 3 vias
v3: diameter 19.68, hole 13.78, Top Layer to Bottom Layer, tented both sides, 2 vias
v4: diameter 47.24, hole 35.43, Top Layer to Bottom Layer, tented both sides, 1 vias

## Nets (pads, with @x,y where several pads share a name; then routed paths per layer and width w, separated by ;. In a path a pad name is that pad's centre, name@x,y a point inside that pad or via, vN(x,y) a via of type N, cw(c..) or ccw(c..) an arc to the next point about the centre after c; other vN are vias at no path point)
12V0N: PWR.4
12V0P: FAN.2 PWR.19 PWR.21 | length 694.8
  Layer 1 w39.37: FAN.2@1648.66,6361.05 2050.83,6361.05 PWR.21@2140.83,6271.05 PWR.19@2306.18,6271.05